# Altium PCB DAC_Sources.PcbDoc (part 5 of 9) (continued)
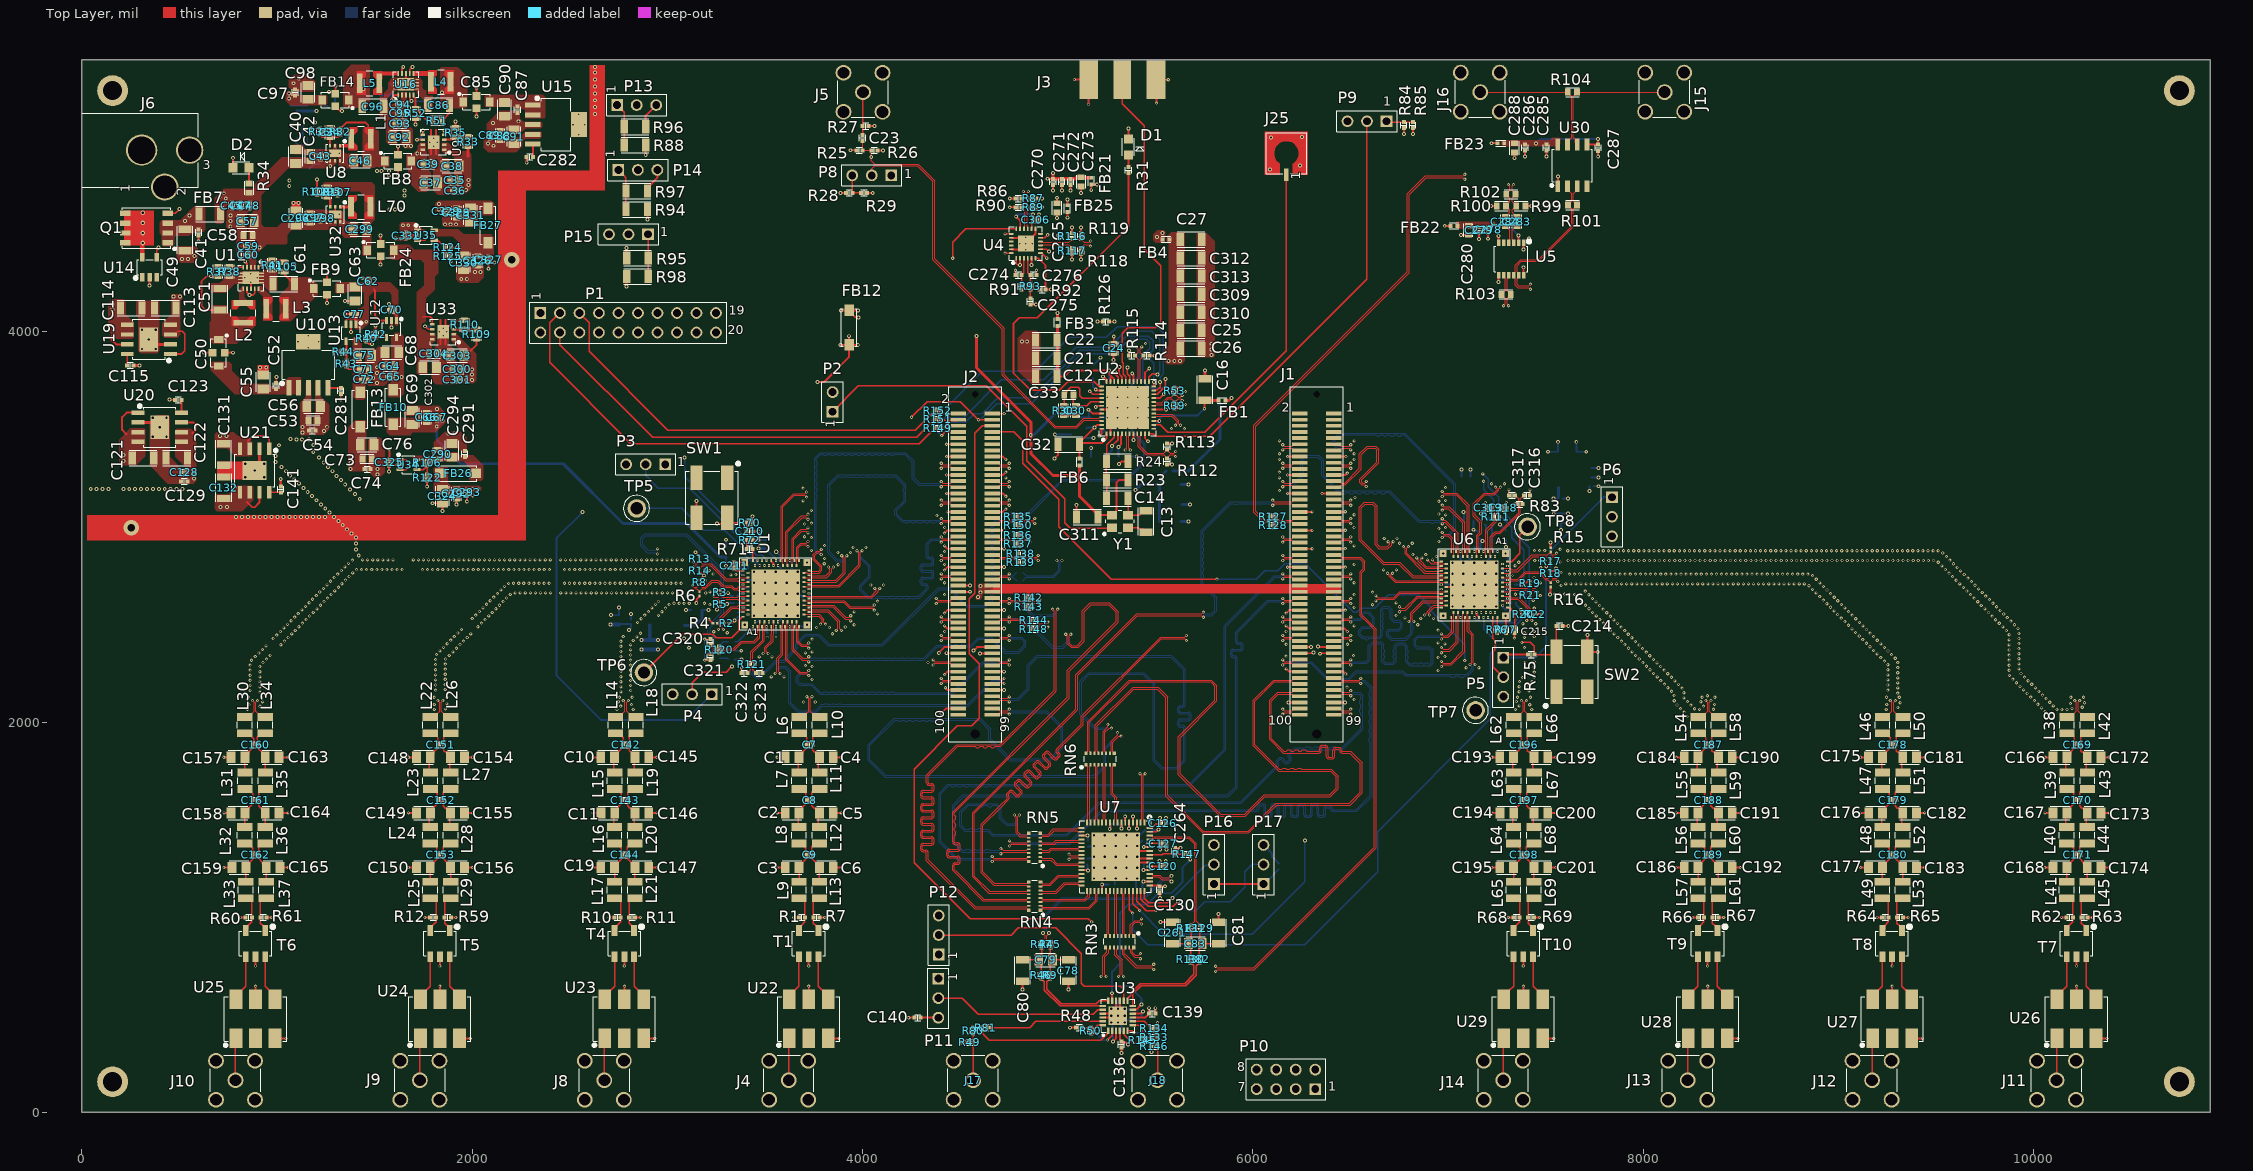
[diagram p0: Top Layer view]
## Nets (pads, with @x,y where several pads share a name; then routed paths per layer and width w, separated by ;. In a path a pad name is that pad's centre, name@x,y a point inside that pad or via, vN(x,y) a via of type N, cw(c..) or ccw(c..) an arc to the next point about the centre after c; other vN are vias at no path point) (continued)
  Top Layer w15: C115.2@264.17,3827.95 v2(296.46,3827.95) ; U20.2@287.96,3536.02 374.21,3536.02 v6(399.21,3511.02) ; v6(343.7,3961.02) 368.7,3936.02 U19.2@454.95,3936.02 ; v6(885.43,3289.37) 910.43,3314.37 U21.2@910.43,3400.62 ; C141.2@1019.29,3208.66 v2(1019.29,3244.88) ; C16.2@5754.72,3759.06 v2(5754.72,3801.18)
  Top Layer w15.75: C332.2@1661.81,4477.17 1664.17,4479.53 1684.25,4479.53 1699.61,4494.88 U35.2@1719.68,4494.88
  Bottom Layer w6: v2(3110.24,2381.1) C219.2@3110.24,2406.69
  Bottom Layer w9.84: v4(3668.5,2658.07) 3671.14,2655.43 3677.4,2655.43 3695.04,2637.8 C203.2@3695.83,2637.8 C203.2@3694.45,2639.17 ; v3(7146.85,2561.02) 7146.88,2555.56 7156.81,2545.63 C249.2@7156.81,2544.84 C249.2@7155.66,2545.99
  Bottom Layer w10: U18.2@1130.32,4996.85 1130.32,5048.82 C112.2@1135.04,5053.54 ; v2(1267.09,5228.58) 1267.66,5228.01 1297.58,5228.01 R56.1@1298.15,5227.44 ; v2(1346.46,4978.74) 1348.37,4980.65 1348.37,4988.92 C100.2@1372.44,5012.99 ; R55.1@1587.8,5267.32 1627.17,5267.32 U16.11@1628.35,5268.5 ; C44.2@1774.41,5002.76 1790.63,5002.76 U9.9@1802.17,4991.22 ; C305.2@1823.62,4027.56 1842.91,4027.56 U33.9@1851.18,4019.29 ; v2(2712.2,2548.03) 2712.4,2547.83 2751.38,2547.83 C238.2@2751.57,2547.64 ; C238.2@2751.57,2548.03 v2@2751.57,2587.01 ; C237.2@2813.39,2524.8 v2(2813.39,2553.54) ; v2(3096.06,2573.62) C226.2@3121.65,2573.62 ; C235.2@3300.79,2893.7 v2(3300.79,2934.65) ; v2(3306.69,2604.72) 3312.99,2611.02 C224.2@3341.34,2611.02 ; v2(3310.63,2660.63) 3324.41,2646.85 C233.2@3336.22,2646.85 ; v2(3344.09,2521.65) 3344.09,2522.05 C232.2@3362.6,2540.55 ; C213.2@3346.06,2365.75 v2(3378.74,2365.75) ; C212.2@3346.46,2321.26 3346.65,2321.06 3380.91,2321.06 v2(3381.1,2320.87) ; C234.2@3375.59,2787.8 3375.59,2788.58 3376.89,2789.88 3377.68,2789.88 3394.24,2806.45 3394.24,2815.03 v4(3396.85,2817.64) 3412.6,2801.89 C220.2@3412.6,2786.22 ; C222.2@3410.63,2728.74 3429.53,2728.74 v4(3444.09,2714.17) ; C225.2@3431.5,2574.8 3444.09,2562.2 v4(3444.09,2545.87) ; C221.2@3435.04,2687.4 3444.09,2678.35 v4(3444.09,2658.07) 3436.22,2650.2 C223.2@3436.22,2631.1 ; C218.2@3469.29,2542.13 3473.03,2545.87 v4(3500.2,2545.87) ; v2(3469.69,2933.07) 3470.08,2933.46 C231.2@3507.87,2933.46 ; v4(3556.3,2545.87) 3558.86,2548.43 C204.2@3583.07,2548.43 ; v4(3556.3,2770.28) 3562.01,2764.57 C202.2@3581.5,2764.57 ; v4(3558.27,2873.62) 3580.71,2851.18 C227.2@3580.71,2850.39 ; v4(3612.4,2770.28) 3615.01,2772.88 3622.49,2772.88 3635.71,2786.1 3636.5,2786.1 3637.8,2787.4 C228.2@3637.8,2788.19 ; C230.2@3676.38,2491.34 3708.35,2491.34 v4(3715.75,2498.74) ; v2(4985.43,3474.8) 5066.54,3474.8 C18.2@5067.32,3474.02 ; v1(5086.14,5292.91) 5087.32,5291.73 J3.2@5158.94,5291.73 ; C31.2@5147.24,3456.69 5147.44,3456.5 5182.87,3456.5 v2(5183.07,3456.3) ; C134.2@5150.79,1301.18 5173.94,1301.18 5183.02,1310.26 v5(5186.27,1310.26) ; C116.2@5154.72,1360.24 5157.57,1363.08 5183.59,1363.08 v5(5186.27,1365.76) ; v1@5159.45,5166.06 J3.2@5159.45,5237.68 ; C267.1@5172.05,3357.48 v2(5172.05,3404.72) ; C268.1@5180.71,3833.07 5186.61,3833.07 5218.9,3865.35 v2(5218.9,3867.32) ; C17.2@5215.35,3560.24 5253.15,3560.24 U2.49@5254.33,3559.06 ; C269.2@5268.11,3503.94 5303.94,3503.94 U2.49@5306.69,3506.69 ; C20.2@5268.11,3712.2 5272.05,3716.14 U2.49@5306.69,3716.14 ; v5(5274.02,461.42) 5274.02,457.63 5281.1,450.54 C137.2@5281.1,424.41 ; C135.2@5292.52,1166.93 5292.52,1190.73 5297.27,1195.47 v5(5297.27,1199.26) ; C260.2@5308.27,573.62 5308.66,573.23 5308.66,531.89 v5(5309.06,531.5) ; v5(5309.06,461.42) 5327.17,443.31 R132.2@5327.17,418.11 ; C133.2@5316.22,1474.45 C133.2@5310.98,1479.69 5325.06,1465.61 5325.06,1456.27 v2(5326.97,1454.35) ; v5(5344.09,461.42) 5347.88,461.42 5359.58,473.11 5373.9,473.11 C138.2@5379.13,478.35 ; v5(5344.09,531.5) 5347.88,531.5 5350.91,528.46 5370.35,528.46 C263.2@5375.59,523.23 ; C28.2@5361.02,3360.24 v2(5405.12,3360.24) ; C119.2@5402.36,1152.36 5402.36,1189.57 5408.27,1195.47 v5(5408.27,1199.26) ; v5(5408.27,1310.26) 5412.06,1310.26 5419.56,1302.76 C118.2@5443.7,1302.76 ; v5(5408.27,1365.76) 5408.27,1369.25 C124.2@5432.28,1393.27 C124.2@5429.92,1390.91 ; v5(5408.27,1421.26) 5410.95,1423.94 5424.33,1423.94 C125.2@5447.64,1447.24 ; U2.49@5411.42,3506.69 5414.57,3509.84 C15.2@5448.43,3509.84 ; J3.3@5494.21,5292.91 v1@5565.83,5292.91 ; v1@5507.48,5173.15 J3.3@5507.48,5244.76 ; P17.3@6055.12,1370.87 6099.45,1326.54 6099.45,1310 C117.2@6132.68,1276.77 ; C208.2@6987.8,2704.72 v4(7022.83,2704.72) ; C248.2@7051.57,2576.77 7063.19,2576.77 v4(7078.94,2592.52) ; C250.2@7064.17,2851.97 7064.17,2831.69 v4(7078.94,2816.93) ; C252.2@7068.5,3257.48 v2(7068.5,3294.09) ; v2(7078.74,3077.56) 7078.74,3074.85 7083.07,3070.52 C259.2@7083.07,3029.92 ; C206.2@7108.27,2811.02 7129.13,2811.02 v4(7135.04,2816.93) ; C251.2@7135.04,2896.06 7136.22,2894.88 C258.2@7167.32,2894.88 7167.32,2917.49 7175.98,2926.15 v2(7175.98,2928.35) 7153.15,2951.18 C257.2@7153.15,2956.69 ; v2(7169.29,3070.08) 7189.76,3049.61 C216.2@7189.76,3043.7 C217.2@7233.46,3043.7 ; v4(7191.14,2816.93) 7219.29,2845.08 C239.2@7219.29,2848.43 ; v4(7247.24,2592.52) 7247.24,2607.09 C245.2@7262.2,2622.05 ; v4(7247.24,2648.62) 7247.24,2662.99 C244.2@7259.84,2675.59 ; v4(7247.24,2704.72) 7253.54,2711.02 C242.2@7253.54,2731.89 ; v4(7247.24,2760.83) 7247.24,2784.25 C241.2@7250,2787.01 ; v2(7267.32,3012.2) 7297.24,2982.28 C247.2@7297.24,2981.5 ; v4(7294.49,2545.28) 7318.11,2568.9 C246.2@7318.11,2574.8 ; v4(7294.49,2864.17) 7307.48,2851.18 C253.2@7307.48,2820.87 ; C254.2@7343.31,2704.72 7378.74,2704.72 v2(7379.13,2705.12) ; C255.2@7348.82,2613.39 7348.82,2601.57 v2(7375.2,2575.2) ; C277.2@7392.13,4455.91 v2@7416.93,4480.71 ; v2(7542.13,3068.9) C256.2@7578.74,3068.9 v2(7615.35,3068.9) ; C240.2@7591.06,3143.98 7589.76,3145.28 C240.2@7588.98,3145.28 v2(7614.17,3145.28) ; C209.2@7734.65,3301.97 v2@7770.47,3301.97 ; C207.2@7746.46,3208.66 v2(7771.65,3208.66)
  Bottom Layer w15: C105.2@1102.76,5134.25 1104.72,5132.28 v2(1202.36,5132.28) ; C314.2@5631.1,3029.13 v2@5672.05,3029.13 ; C315.2@5631.1,3218.11 v2@5672.05,3218.11 ; C29.2@5637.4,3115.75 v2@5678.35,3115.75
  Bottom Layer w20: v2(2866.93,2372.83) C205.2@2909.45,2372.83 v2(2951.97,2372.83)
  other v1: 10096.5,2018.05 8224.83,2029.69 10078.12,2036.44 8210.21,2051.19 10059.73,2054.82 849.6,2065.35 1805.89,2065.35 2742.05,2065.35 2825.76,2065.35 7345.64,2065.35 7429.6,2065.35 8289.3,2065.35 9245.8,2065.35 10120.01,2065.31 10146.01,2065.35 10172.01,2065.35 8360.24,2066.06 1862.94,2068.34 8263.51,2068.65 8191.83,2069.58 10197.48,2070.59 10041.35,2073.21 9305.12,2075.68 10250,2076.21 913.06,2081.71 2761.71,2082.37 8309.12,2082.18 7364.24,2083.52 10101.62,2083.69 8245.13,2087.04 8173.44,2087.96 7418.79,2089 857.33,2090.18 2817.14,2089.88 1806.04,2091.35 8366.07,2091.4 9248.34,2091.23 10022.96,2091.59 1870.57,2093.2 10189.54,2095.35 9316.37,2099.12 10261.43,2099.57 10083.24,2102.07 3698.75,2103.11 3758.01,2103.11 926.2,2104.14 2748.44,2104.73 8226.74,2105.42 8295.89,2104.57 7350.77,2105.76 8159.28,2109.76 10004.58,2109.98 6519.17,2115.63 10064.86,2120.46 8209.1,2124.52 854.82,2127.32 920.18,2127.32 1804.7,2127.32 1870.06,2127.32 2754.59,2127.32 2819.94,2127.32 7357.12,2127.32 7422.48,2127.32 8302,2127.32 8367.36,2127.32 9246.89,2127.32 9312.24,2127.32 10191.77,2127.32 10257.12,2127.32 9986.19,2128.36 8329.3,2135.16 8159.07,2135.76 10046.47,2138.84 9967.81,2146.75 9304.58,2149.18 8209.1,2150.52 912.52,2154.28 2762.25,2154.79 7364.78,2155.64 10028.09,2157.23 8145.67,2158.05 7414.82,2160.75 2812.28,2162.12 862.48,2162.6 1812.36,2164.48 9254.55,2164.29 9949.42,2165.13 1862.4,2167.53 8199.71,2174.76 9304.58,2175.18 8127.28,2176.43 10009.7,2175.61 912.52,2180.28 6482.68,2179.92 2762.25,2180.79 7364.78,2181.64 9931.04,2183.52 7414.82,2186.75 2812.28,2188.12 862.48,2188.6 1812.36,2190.48 9254.55,2190.29 8181.33,2193.15 1862.4,2193.53 9991.32,2194 8108.9,2194.82 9304.58,2201.18 9912.65,2201.9 912.52,2206.28 2762.25,2206.79 7430.85,2207.22 7365.62,2207.63 8162.94,2211.53 9972.93,2212.38 8090.51,2213.2 2812.28,2214.12 862.48,2214.6 1812.36,2216.48 9254.55,2216.29 3742.13,2218.89 1862.4,2219.53 9894.27,2220.29 9304.58,2227.18 7381.27,2228.39 8144.56,2229.92 7441.95,2230.73 9954.55,2230.77 912.52,2232.28 3532.67,2232.28 3598.02,2232.28 8072.13,2231.59 2762.25,2232.79 2812.28,2240.12 9877.04,2239.76 862.48,2240.6 1812.36,2242.48 9254.55,2242.29 1862.4,2245.53 8126.17,2248.3 9936.16,2249.15 8053.75,2249.97 7391.91,2252.12 9304.58,2253.18 7441.95,2256.73 912.52,2258.28 2762.25,2258.79 6949.21,2265.43 2812.28,2266.12 9875.21,2265.7 862.48,2266.6 8107.79,2266.69 1812.36,2268.48 8035.36,2268.36 9254.55,2268.29 1862.4,2271.53 9925.24,2272.75 7391.91,2278.12 7093.32,2278.82 7158.67,2278.82 9304.58,2279.18 7441.95,2282.73 912.52,2284.28 3742.13,2284.24 2762.25,2284.79 8089.4,2285.07 8016.98,2286.74 3707.48,2289.36 2812.28,2292.12 9875.21,2291.7 862.48,2292.6 1812.36,2294.48 9254.26,2294.28 1862.4,2297.53 9925.24,2298.75 8071.02,2303.46 7391.91,2304.12 928.31,2304.93 7998.59,2305.13 9304.58,2305.18 4335.83,2305.51 7441.95,2308.73 2762.25,2310.79 9235.87,2312.67 870.09,2317.47 2812.28,2318.12 9875.21,2317.7 1812.36,2320.48 8052.63,2321.84 946.69,2323.32 1864.28,2323.46 7980.21,2323.51 9925.24,2324.75 9291.6,2327.71 6949.21,2330.78 9217.49,2331.05 3470.95,2334.47 3536.31,2334.47 888.47,2335.85 6983.86,2335.9 2762.25,2336.79 6170.98,2338.46 8034.25,2340.23 6516.93,2340.55 965.08,2341.7 1882.67,2341.84 7961.82,2341.9 2812.28,2344.12 9875.21,2343.7 1816.89,2346.08 9273.21,2346.09 9199.11,2349.44 9925.24,2350.75 906.86,2354.24 3707.48,2354.72 8015.87,2358.61 1901.05,2360.23 3742.13,2359.83 7943.44,2360.28 2762.25,2362.79 9254.83,2364.48 1834.9,2364.83 9180.72,2367.82 2812.28,2370.12 9875.21,2369.7 925.24,2372.62 7997.48,2377 9925.24,2376.75 1919.44,2378.61 7925.05,2378.66 7391.91,2382.12 1853.28,2383.22 9236.44,2382.86 9162.34,2386.21 2762.25,2388.79 943.63,2391.01 7979.1,2395.38 2812.28,2396.12 9875.21,2395.7 1020.23,2396.85 1937.82,2397 7906.67,2397.05 6170.98,2399.09 6484.53,2399.09 6983.86,2401.25 9218.06,2401.25 1871.67,2401.6 9925.24,2402.75 9143.95,2404.59 6949.21,2406.37 7960.71,2413.77 1038.62,2415.24 1956.21,2415.38 2762.25,2414.79 7888.28,2415.43 2825.32,2418.61 1890.05,2419.99 9199.67,2419.63 9875.21,2421.7 9125.57,2422.98 3742.13,2425.19 980.4,2427.78 9925.24,2428.75 7942.33,2432.15 1057,2433.62 1974.59,2433.77 7391.91,2434.12 7869.9,2433.82 2843.7,2437 1908.44,2438.37 2773.95,2438.01 9181.29,2438.02 7441.95,2438.73 9107.18,2441.36 998.78,2446.16 9875.21,2447.7 7923.94,2450.53 1075.39,2452.01 1992.98,2452.15 7851.51,2452.2 3846.07,2452.76 2862.09,2455.38 9925.24,2454.75 9162.9,2456.4 1926.82,2456.76 3307.09,2457.87 7391.91,2460.12 9088.8,2459.75 3237.8,2463.39 4420.98,2464.45 6170.98,2464.45 1017.16,2464.55 7441.95,2464.73 7905.56,2468.92 1093.77,2470.39 9861.46,2469.76 7833.13,2470.59 6949.21,2471.72 1945.21,2475.14 9144.52,2474.79 9070.41,2478.13 9920.82,2480.37 1035.55,2482.93 3765.36,2485.04 3830.72,2485.04 3911.43,2487.4 7887.17,2487.3 9843.07,2488.15 1112.16,2488.78 2029.75,2488.92 7814.74,2488.97 9126.13,2493.17 6519.17,2493.58 9052.03,2496.52 3957.09,2499.33 6845.27,2499.29 9902.83,2499.15 1053.93,2501.32 7384.25,2504.41 7449.61,2504.41 7868.79,2505.69 1130.54,2507.16 2048.13,2507.3 7796.36,2507.36 9824.69,2506.53 2847.49,2511.55 9107.75,2511.55 9033.64,2514.9 9884.45,2517.53 1072.32,2519.7 7850.4,2524.07 9806.3,2524.92 1148.93,2525.55 2066.52,2525.69 7777.97,2525.74 2000.36,2530.29 2865.88,2529.93 9089.36,2529.94 6860.62,2531.57 6925.98,2531.57 9015.26,2533.29 6779.91,2533.94 9866.07,2535.91 1090.7,2538.09 7832.02,2542.46 9787.92,2543.3 1167.31,2543.93 2084.9,2544.07 7759.59,2544.13 6734.25,2545.87 2954.01,2547.31 2884.26,2548.32 9070.98,2548.32 2018.75,2548.68 8996.87,2551.67 9847.68,2554.3 4077.56,2554.72 1109.09,2556.47 7813.63,2560.84 1185.7,2562.32 2103.29,2562.46 9769.53,2561.69 7741.2,2562.51 3957.09,2564.69 2972.4,2565.69 2037.13,2567.06 2902.65,2566.7 9052.59,2566.71 8978.49,2570.06 9829.3,2572.68 6474.02,2574.02 1127.47,2574.85 7795.25,2579.23 9751.15,2580.07 1204.08,2580.7 2121.67,2580.84 7722.82,2580.9 2990.78,2584.08 7442.11,2583.59 2055.52,2585.45 2921.03,2585.09 9034.21,2585.09 6519.17,2588.07 8960.1,2588.44 9810.91,2591.07 1145.86,2593.24 7776.86,2597.61 9732.76,2598.46 1222.47,2599.09 2140.06,2599.23 7704.43,2599.28 6613.78,2601.25 3009.17,2602.46 3218.5,2601.89 2939.42,2603.47 9015.82,2603.48 2073.9,2603.83 8941.72,2606.82 9792.53,2609.45 3034.18,2609.55 3060.18,2609.55 3086.18,2609.55 3112.18,2609.55 3190.18,2609.55 6734.25,2611.22 1164.24,2611.62 7758.48,2616 1240.85,2617.47 9714.38,2616.84 2158.44,2617.61 2954.72,2618.11 7686.05,2617.67 4077.56,2620.07 2092.29,2622.22 8997.44,2621.86 8923.33,2625.21 9774.14,2627.84 1182.63,2630.01 7740.09,2634.38 9695.99,2635.23 1259.23,2635.86 2176.82,2636 7667.67,2636.05 8979.05,2640.25 2110.67,2640.6 8904.95,2643.59 9755.76,2646.22 1201.01,2648.39 7472.83,2648.42 4420.98,2653.42 6519.17,2653.43 7721.71,2652.77 1277.62,2654.24 2195.21,2654.38 3111.42,2654.33 7649.28,2654.44 9677.61,2653.61 7345.65,2655.54 7371.65,2655.54 7545.33,2656.08 7571.33,2656.08 7597.33,2656.08 7623.33,2656.08 2129.06,2658.99 8960.67,2658.63 2220.07,2661.99 2246.07,2661.99 2272.07,2661.99 2298.07,2661.99 2324.07,2661.99 2350.07,2661.99 2376.07,2661.99 2402.07,2661.99 2454.07,2661.99 2480.07,2661.99 2506.07,2661.99 2532.07,2661.99 2558.07,2661.99 2584.07,2661.99 2610.07,2661.99 2636.07,2661.99 2662.07,2661.99 2688.07,2661.99 2714.07,2661.99 2740.07,2661.99 2766.07,2661.99 2792.07,2661.99 2818.07,2661.99 2844.07,2661.99 2870.07,2661.99 2896.07,2661.99 2922.07,2661.99 2948.07,2661.99 2974.07,2661.99 3000.07,2661.99 3026.07,2661.99 3052.07,2661.99 3078.07,2661.99 3196.63,2661.67 8886.56,2661.98 9737.37,2664.61 1219.4,2666.78 3218.5,2667.24 6613.78,2666.61 7703.32,2671.15 9659.22,2672 1296,2672.63 2147.44,2677.37 8942.29,2677.02 8868.18,2680.36 9718.99,2682.99 1237.78,2685.16 9640.84,2690.38 1314.39,2691.01 8923.9,2695.4 2165.82,2695.76 8849.79,2698.75 7579.92,2700.87 9700.6,2701.38 4042.92,2702.76 4108.28,2702.76 1256.17,2703.55 1332.77,2709.4 7603.7,2708.53 7629.7,2708.53 7655.7,2708.53 7681.7,2708.53 7707.7,2708.53 7733.7,2708.53 7759.7,2708.53 7785.7,2708.53 7811.7,2708.53 7837.7,2708.53 7863.7,2708.53 7889.7,2708.53 7915.7,2708.53 7941.7,2708.53 7967.7,2708.53 7993.7,2708.53 8019.7,2708.53 8045.7,2708.53 8071.7,2708.53 8097.7,2708.53 8123.7,2708.53 8149.7,2708.53 8175.7,2708.53 8201.7,2708.53 8227.7,2708.53 8253.7,2708.53 8279.7,2708.53 8305.7,2708.53 8331.7,2708.53 8357.7,2708.53 8383.7,2708.53 8409.7,2708.53 8435.7,2708.53 8461.7,2708.53 8487.7,2708.53 8513.7,2708.53 8539.7,2708.53 8565.7,2708.53 8591.7,2708.53 8617.7,2708.53 8643.7,2708.53 8669.7,2708.53 8695.7,2708.53 8721.7,2708.53 8747.7,2708.53 8773.7,2708.53 8799.7,2708.53 8825.7,2708.53 9622.45,2708.77 2186.7,2711.25 2212.69,2712.03 2238.69,2712.03 2264.69,2712.03 2290.69,2712.03 2316.69,2712.03 2342.69,2712.03 2368.69,2712.03 2394.69,2712.03 2472.69,2712.03 2498.69,2712.03 2524.69,2712.03 2550.69,2712.03 2576.69,2712.03 2602.69,2712.03 2628.69,2712.03 2654.69,2712.03 2680.69,2712.03 2706.69,2712.03 2732.69,2712.03 2758.69,2712.03 2784.69,2712.03 2810.69,2712.03 2836.69,2712.03 2862.69,2712.03 2888.69,2712.03 2914.69,2712.03 2940.69,2712.03 2966.69,2712.03 2992.69,2712.03 3018.69,2712.03 3044.69,2712.03 3070.69,2712.03 4420.98,2714.05 6519.17,2714.06 7472.83,2713.78 8905.52,2713.79 9682.22,2719.76 1274.55,2721.93 3196.25,2725.76 9604.07,2727.15 1351.16,2727.78 8887.13,2732.17 9663.83,2738.15 1292.94,2740.32 7440.8,2741.2 1369.54,2746.17 9585.68,2745.54 8868.75,2750.56 3325.6,2754.61 3351.56,2756.02 9645.45,2756.53 1311.32,2758.7 3234.84,2759.27 7622.01,2758.56 7648.01,2758.56 7674.01,2758.56 7700.01,2758.56 7726.01,2758.56 7752.01,2758.56 7778.01,2758.56 7804.01,2758.56 7830.01,2758.56 7856.01,2758.56 7882.01,2758.56 7908.01,2758.56 7934.01,2758.56 7960.01,2758.56 7986.01,2758.56 8012.01,2758.56 8038.01,2758.56 8064.01,2758.56 8090.01,2758.56 8116.01,2758.56 8142.01,2758.56 8168.01,2758.56 8194.01,2758.56 8220.01,2758.56 8246.01,2758.56 8272.01,2758.56 8298.01,2758.56 8324.01,2758.56 8350.01,2758.56 8376.01,2758.56 8402.01,2758.56 8428.01,2758.56 8454.01,2758.56 8480.01,2758.56 8506.01,2758.56 8532.01,2758.56 8558.01,2758.56 8584.01,2758.56 8610.01,2758.56 8636.01,2758.56 8662.01,2758.56 8688.01,2758.56 8714.01,2758.56 8740.01,2758.56 8766.01,2758.56 8792.01,2758.56 8818.01,2758.56 8844.01,2758.56 9567.3,2763.92 1387.93,2764.55 7579.92,2766.22 3116.93,2774.02 9627.06,2774.92 1329.71,2777.09 3216.45,2777.65 6670.46,2780.39 6735.82,2780.39 3190.69,2781.13 1407.49,2781.68 1433.49,2781.68 1459.49,2781.68 1485.49,2781.68 1511.49,2781.68 1537.49,2781.68 1563.49,2781.68 1589.49,2781.68 1615.49,2781.68 1641.49,2781.68 1745.49,2781.68 1771.49,2781.68 1797.49,2781.68 1823.49,2781.68 1849.49,2781.68 1875.49,2781.68 1901.49,2781.68 1927.49,2781.68 1953.49,2781.68 1979.49,2781.68 2005.49,2781.68 2031.49,2781.68 2057.49,2781.68 2083.49,2781.68 2109.49,2781.68 2135.49,2781.68 2161.49,2781.68 2187.49,2781.68 2213.49,2781.68 2239.49,2781.68 2265.49,2781.68 2291.49,2781.68 2317.49,2781.68 2343.49,2781.68 2369.49,2781.68 2395.49,2781.68 2473.49,2781.68 2499.49,2781.68 2525.49,2781.68 2551.49,2781.68 2577.49,2781.68 2603.49,2781.68 2629.49,2781.68 2655.49,2781.68 2681.49,2781.68 2707.49,2781.68 2733.49,2781.68 2759.49,2781.68 2785.49,2781.68 2811.49,2781.68 2837.49,2781.68 2863.49,2781.68 2889.49,2781.68 2915.49,2781.68 2941.49,2781.68 2967.49,2781.68 2993.49,2781.68 3019.49,2781.68 3045.49,2781.68 3071.49,2781.68 9548.91,2782.31 7475.38,2791.39 9608.68,2793.3 6474.02,2794.49 1348.09,2795.47 7344.18,2801.15 9530.53,2800.69 3875.2,2806.69 4420.98,2808.54 6519.17,2808.54 3804.02,2811.65 9590.29,2811.69 1366.48,2813.86 9512.15,2819.07 7362.58,2819.52 7574.41,2820.55 7444.4,2827.67 7470.4,2827.67 7496.4,2827.67 7615.8,2828.21 7641.8,2828.21 7667.8,2828.21 7693.8,2828.21 7719.8,2828.21 7745.8,2828.21 7771.8,2828.21 7797.8,2828.21 7823.8,2828.21 7849.8,2828.21 7875.8,2828.21 7901.8,2828.21 7927.8,2828.21 7953.8,2828.21 7979.8,2828.21 8005.8,2828.21 8031.8,2828.21 8057.8,2828.21 8083.8,2828.21 8109.8,2828.21 8135.8,2828.21 8161.8,2828.21 8187.8,2828.21 8213.8,2828.21 8239.8,2828.21 8265.8,2828.21 8291.8,2828.21 8317.8,2828.21 8343.8,2828.21 8369.8,2828.21 8395.8,2828.21 8421.8,2828.21 8447.8,2828.21 8473.8,2828.21 8499.8,2828.21 8525.8,2828.21 8551.8,2828.21 8577.8,2828.21 8603.8,2828.21 8629.8,2828.21 8655.8,2828.21 8681.8,2828.21 8707.8,2828.21 8733.8,2828.21 8759.8,2828.21 8785.8,2828.21 8811.8,2828.21 8837.8,2828.21 8863.8,2828.21 8889.8,2828.21 8915.8,2828.21 8941.8,2828.21 8967.8,2828.21 8993.8,2828.21 9019.8,2828.21 9045.8,2828.21 9071.8,2828.21 9097.8,2828.21 9123.8,2828.21 9149.8,2828.21 9175.8,2828.21 9201.8,2828.21 9227.8,2828.21 9253.8,2828.21 9279.8,2828.21 9305.8,2828.21 9331.8,2828.21 9357.8,2828.21 9383.8,2828.21 9409.8,2828.21 9435.8,2828.21 9461.8,2828.21 9487.8,2828.21 1386.49,2830.45 9571.91,2830.07 1438.46,2831.71 1464.46,2831.71 1490.46,2831.71 1516.46,2831.71 1542.46,2831.71 1568.46,2831.71 1594.46,2831.71 1698.46,2831.71 1724.46,2831.71 1750.46,2831.71 1776.46,2831.71 1802.46,2831.71 1828.46,2831.71 1854.46,2831.71 1880.46,2831.71 1906.46,2831.71 1932.46,2831.71 1958.46,2831.71 1984.46,2831.71 2010.46,2831.71 2036.46,2831.71 2062.46,2831.71 2088.46,2831.71 2114.46,2831.71 2140.46,2831.71 2166.46,2831.71 2192.46,2831.71 2218.46,2831.71 2244.46,2831.71 2270.46,2831.71 2296.46,2831.71 2322.46,2831.71 2348.46,2831.71 2374.46,2831.71 2400.46,2831.71 2452.46,2831.71 2478.46,2831.71 2504.46,2831.71 2530.46,2831.71 2556.46,2831.71 2582.46,2831.71 2608.46,2831.71 2634.46,2831.71 2660.46,2831.71 2686.46,2831.71 2712.46,2831.71 2738.46,2831.71 2764.46,2831.71 2790.46,2831.71 2816.46,2831.71 2842.46,2831.71 2868.46,2831.71 2894.46,2831.71 2920.46,2831.71 2946.46,2831.71 2972.46,2831.71 2998.46,2831.71 3024.46,2831.71 3050.46,2831.71 3076.46,2831.71 3116.93,2839.37 3806.3,2839.38 9553.52,2848.46 6940.55,2848.86 6820.66,2858.86 6886.02,2858.86 9535.14,2866.84 3874.08,2870.03 3939.43,2870.03 4420.98,2873.9 7613.77,2878.25 7639.77,2878.25 7665.77,2878.25 7691.77,2878.25 7717.77,2878.25 7743.77,2878.25 7769.77,2878.25 7795.77,2878.25 7821.77,2878.25 7847.77,2878.25 7873.77,2878.25 7899.77,2878.25 7925.77,2878.25 7951.77,2878.25 7977.77,2878.25 8003.77,2878.25 8029.77,2878.25 8055.77,2878.25 8081.77,2878.25 8107.77,2878.25 8133.77,2878.25 8159.77,2878.25 8185.77,2878.25 8211.77,2878.25 8237.77,2878.25 8263.77,2878.25 8289.77,2878.25 8315.77,2878.25 8341.77,2878.25 8367.77,2878.25 8393.77,2878.25 8419.77,2878.25 8445.77,2878.25 8471.77,2878.25 8497.77,2878.25 8523.77,2878.25 8549.77,2878.25 8575.77,2878.25 8601.77,2878.25 8627.77,2878.25 8653.77,2878.25 8679.77,2878.25 8705.77,2878.25 8731.77,2878.25 8757.77,2878.25 8783.77,2878.25 8809.77,2878.25 8835.77,2878.25 8861.77,2878.25 8887.77,2878.25 8913.77,2878.25 8939.77,2878.25 8965.77,2878.25 8991.77,2878.25 9017.77,2878.25 9043.77,2878.25 9069.77,2878.25 9095.77,2878.25 9121.77,2878.25 9147.77,2878.25 9173.77,2878.25 9199.77,2878.25 9225.77,2878.25 9251.77,2878.25 9277.77,2878.25 9303.77,2878.25 9329.77,2878.25 9355.77,2878.25 9381.77,2878.25 9407.77,2878.25 9433.77,2878.25 9459.77,2878.25 9485.77,2878.25 9511.77,2878.25 7443.74,2878.79 7469.74,2878.79 7495.74,2878.79 3738.19,2880 7574.41,2885.91 3952.37,2895.28 4017.72,2895.28 6519.17,2903.03 3806.3,2904.73 6751.91,2916.56 6817.26,2916.56 6953.15,2926.53 6673.61,2941.81 6738.97,2941.81 3738.19,2945.35 3703.54,2950.01 6474.02,2983.46 6953.15,2991.89 6987.8,2996.54 4420.98,2997.52 6519.17,2997.52 3703.54,3015.36 3738.19,3020.02 4381.5,3058.27 6987.8,3061.9 6519.17,3062.87 6953.15,3066.55 3738.19,3085.37 6953.15,3131.91 3696.06,3133.46 6987.8,3136.56 6523.62,3151.97 4430.85,3171.79 6136.34,3186.5 3696.06,3198.81 6987.8,3201.92 7223.62,3221.34 7288.98,3221.34 4734.53,3251.85 6136.34,3251.85 4430.85,3266.28 6136.34,3280.98 6136.34,3346.34 6519.17,3346.34 6136.34,3375.47 6519.17,3375.47 6136.34,3440.83 6519.17,3440.83 5583.86,3503.94 5649.21,3503.94 5655.91,3628.35 5655.91,3693.71 5385.43,3939.76 5450.79,3939.76
  other v2: 4724.67,2163.92 4724.67,2258.41 4724.67,2479.15 4724.67,2573.64 2751.77,2587.2 4724.67,2794.11 1418.9,2853.15 1404.33,2885.04 4724.67,2888.6 1404.33,2915.35 1404.33,2945.67 1381.89,2966.93 4724.67,2983.09 1359.45,2988.19 1337.01,3009.45 5671.33,3029.13 1314.57,3030.71 790.55,3051.18 820.87,3051.18 851.18,3051.18 881.5,3051.18 911.81,3051.18 942.13,3051.18 972.44,3051.18 1002.76,3051.18 1033.07,3051.18 1063.39,3051.18 1093.7,3051.18 1124.02,3051.18 1154.33,3051.18 1184.64,3051.18 1214.96,3051.18 1245.27,3051.18 1292.13,3051.97 1269.68,3073.23 1247.24,3094.49 1224.8,3115.75 5677.63,3115.75 1202.36,3137.01 1424.02,3142.52 1179.92,3158.27 1399.07,3169.45 1157.48,3179.53 1373.23,3192.52 45.67,3193.7 75.98,3193.7 106.3,3193.7 136.61,3193.7 212.6,3194.88 242.91,3194.88 273.23,3194.88 303.54,3194.88 333.86,3194.88 364.17,3194.88 394.49,3194.88 424.8,3194.88 455.12,3194.88 485.43,3194.88 515.75,3194.88 1135.04,3200.79 1349.61,3217.72 5671.33,3218.11 1112.6,3222.05 1327.56,3239.76 1090.16,3243.31 1305.91,3262.2 1067.72,3264.57 1515.35,3268.5 1045.28,3285.83 1283.46,3285.83 1515.35,3296.85 7770.67,3301.77 1022.83,3307.09 1261.81,3308.27 1239.37,3329.53 992.91,3332.28 1214.96,3355.12 992.52,3364.57 1185.83,3384.65 992.91,3394.49 1011.02,3418.9 1185.83,3420.47 1099.21,3448.43 1128.35,3449.21 1164.96,3448.82 1069.68,3450.79 1879.29,3478.62 1909.72,3478.62 1130.32,3485.04 1130.32,3511.42 1847.64,3576.38 1819.68,3603.54 1511.81,3737.01 1493.31,3763.39 1528.35,3763.78 1512.99,3789.76 912.2,3818.11 944.88,3818.11 1512.2,3818.5 5497.05,3877.36 5788.58,3881.5 5788.58,3910.24 5788.58,3938.98 4816.54,3950 4844.09,3950 5203.94,4052.76 1944.09,4271.65 1972.44,4271.65 2014.57,4305.91 2042.91,4305.91 544.49,4373.23 514.17,4373.62 578.35,4388.19 7159.25,4476.18 1607.73,4477.35 1634.37,4477.4 7204.53,4476.97 7415.3,4479.07 7066.73,4497.05 760.63,4538.98 1861.57,4551.06 1889.84,4551.06 1918.11,4551.06 761.02,4568.11 761.55,4596.41 1575.84,4627.08 1604.11,4627.08 1632.38,4627.08 7219.88,4645.47 7427.36,4645.47 1083.6,4659.79 1110.24,4659.84 1063.04,4748.17 1062.99,4774.8 1511.81,4824.8 1536.22,4824.8 6088.19,4831.1 6241.73,4852.36 7341.54,4889.57 7394.68,4898.23 7769.88,4897.83 7504.53,4898.62 6094.09,4996.06 6252.76,4999.21 6820.28,5013.58 2105.91,5070.47 1195.28,5073.23 2237.4,5078.74 2629.13,5115.75 2629.13,5151.18 2629.13,5186.61 2629.13,5222.05 2629.13,5257.48 1085.33,5273.74 2629.13,5292.91 1111.32,5298.93 2629.13,5328.35 2629.13,5357.87
  other v3: 3513.78,2435.43 3556.3,2435.43 3700,2670 6965.75,2681.1 3725.59,2681.81 7330.31,2751.97
  other v4: 3396.85,2498.74 6975.59,2545.28 3612.4,2545.87 3668.5,2545.87 7022.83,2592.52 7135.04,2592.52 7191.14,2592.52 3444.09,2601.97 3500.2,2601.97 3556.3,2601.97 3612.4,2601.97 3668.5,2601.97 7022.83,2648.62 7078.94,2648.62 7135.04,2648.62 7191.14,2648.62 3500.2,2658.07 3556.3,2658.07 3612.4,2658.07 7078.94,2704.72 7135.04,2704.72 7191.14,2704.72 3500.2,2714.17 3556.3,2714.17 3612.4,2714.17 3668.5,2714.17 7022.83,2760.83 7078.94,2760.83 7135.04,2760.83 7191.14,2760.83 3444.09,2770.28 3500.2,2770.28 3668.5,2770.28 7022.83,2816.93 7247.24,2816.93 3715.75,2817.64 6975.59,2864.17
  other v5: 5274.02,496.46 5344.09,496.46 5274.02,531.5 5186.27,1199.26 5241.77,1199.26 5352.77,1199.26 5186.27,1254.76 5241.77,1254.76 5297.27,1254.76 5352.77,1254.76 5408.27,1254.76 5241.77,1310.26 5297.27,1310.26 5352.77,1310.26 5241.77,1365.76 5297.27,1365.76 5352.77,1365.76 5186.27,1421.26 5241.77,1421.26 5297.27,1421.26 5352.77,1421.26
  other v6: 836.61,3254.33 934.25,3254.33 836.61,3324.41 934.25,3324.41 364.17,3462.2 434.25,3462.2 364.17,3559.84 434.25,3559.84 308.66,3912.2 378.74,3912.2 308.66,4009.84 378.74,4009.84
  other v8: 253.54,2996.26 2202.76,4368.5